# KiCad board Smart LED WS2812B Ring7.kicad_pcb (continued)
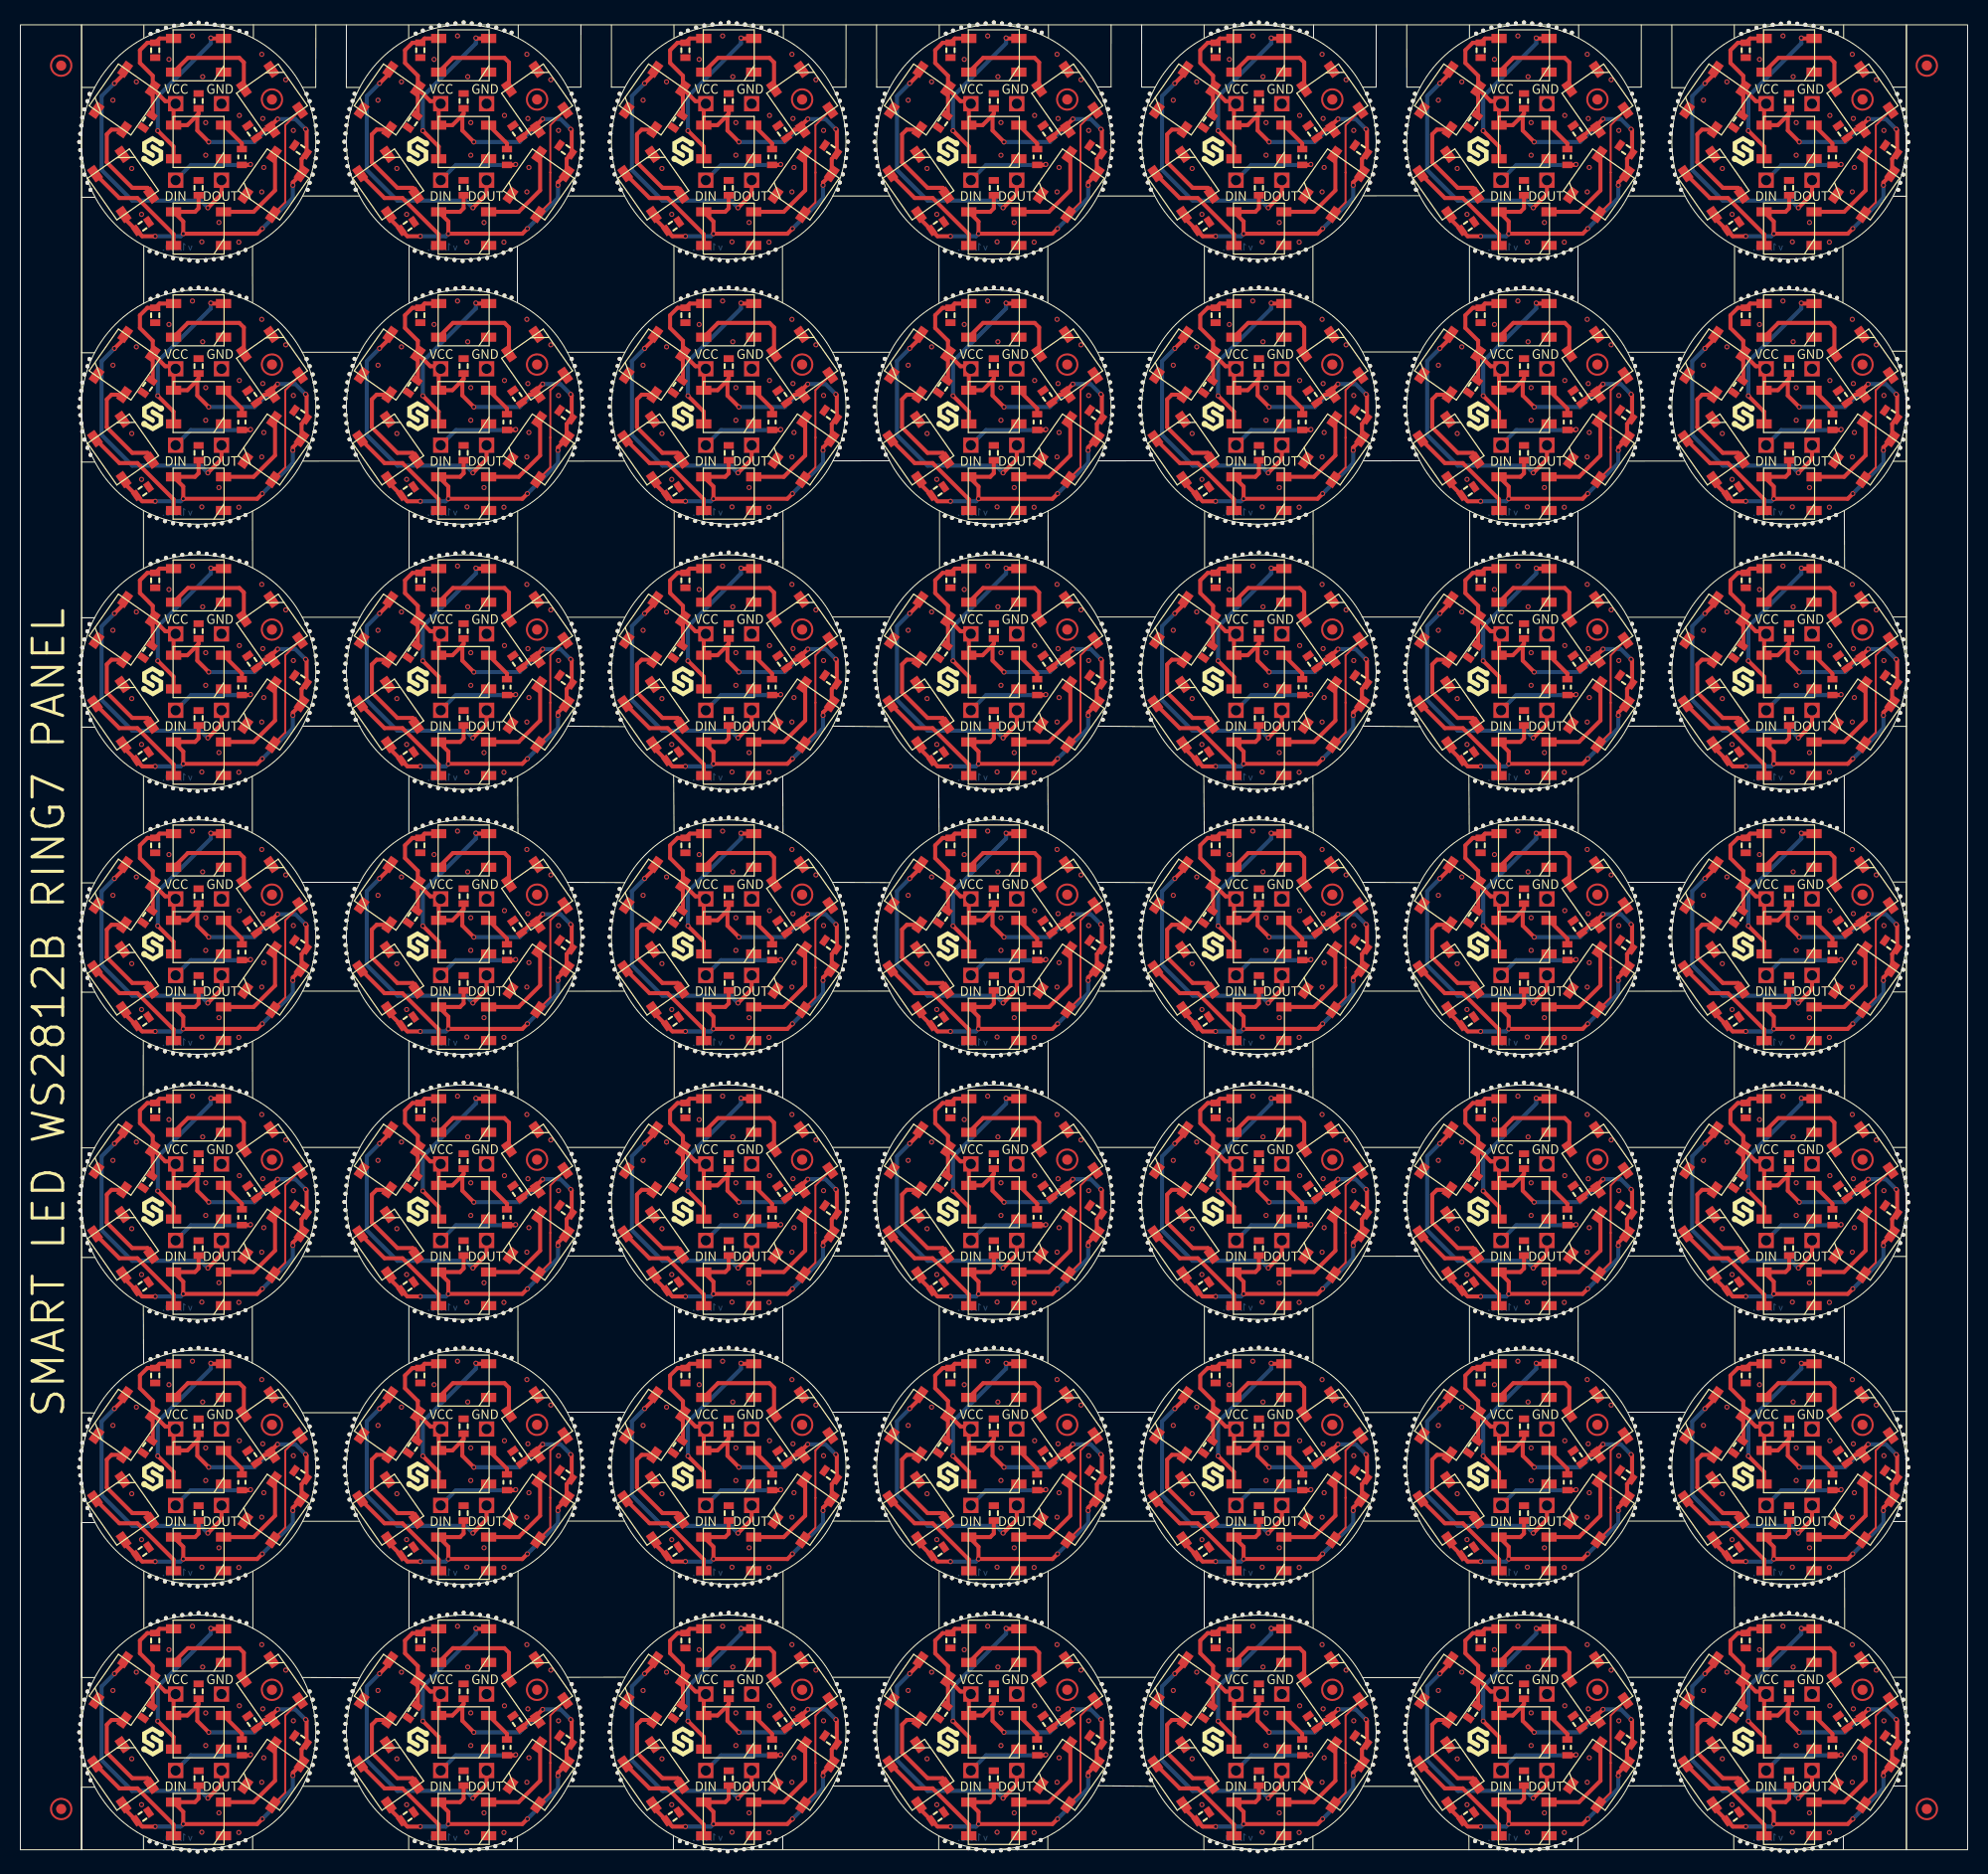
[diagram p0: board, top side]
## Placement (name value [footprint] x y rotation side) (continued)
REF**#2022  -  [HOLE_0.5mm]  152.18 152.26 90 top
REF**#2023  -  [HOLE_0.5mm]  14.97 156.13 270 top
REF**#2024  -  [HOLE_0.5mm]  57.88 142.36 180 top
REF**#2025  -  [HOLE_0.5mm]  161.78 141.53 180 top
REF**#2026  -  [HOLE_0.5mm]  80.97 139.96 0 top
REF**#2027  -  [HOLE_0.5mm]  55.08 166.76 0 top
REF**#2028  -  [HOLE_0.5mm]  68.68 49.16 90 top
REF**#2029  -  [HOLE_0.5mm]  122.28 179.16 90 top
REF**#2030  -  [HOLE_0.5mm]  146.68 49.16 90 top
REF**#2031  -  [HOLE_0.5mm]  136.88 84.86 180 top
REF**#2032  Logo-Front-SolderedFULL-15mm  [Logo-Back-SolderedFULL-15mm]  17.91 89.79 0 top
REF**#2033  -  [HOLE_0.5mm]  45.08 49.06 90 top
REF**#2034  -  [HOLE_0.5mm]  126.07 0.96 270 top
REF**#2035  -  [HOLE_0.5mm]  5.88 10.73 180 top
REF**#2036  -  [HOLE_0.5mm]  6.08 139.13 180 top
REF**#2037  -  [HOLE_0.5mm]  96.28 101.16 90 top
REF**#2038  -  [HOLE_0.5mm]  106.68 8.36 0 top
REF**#2039  -  [HOLE_0.5mm]  123.07 75.06 90 top
REF**#2040  -  [HOLE_0.5mm]  80.88 117.96 0 top
REF**#2041  -  [HOLE_0.5mm]  73.47 126.46 90 top
REF**#2042  -  [HOLE_0.5mm]  144.97 78.16 270 top
REF**#2043  -  [HOLE_0.5mm]  54.67 170.76 0 top
REF**#2044  -  [HOLE_0.5mm]  123.88 48.96 90 top
REF**#2045  -  [HOLE_0.5mm]  72.68 74.76 90 top
REF**#2046  -  [HOLE_0.5mm]  19.78 78.13 270 top
REF**#2047  -  [HOLE_0.5mm]  177.47 126.44 90 top
REF**#2048  -  [HOLE_0.5mm]  143.47 48.46 90 top
REF**#2049  -  [HOLE_0.5mm]  100.18 178.26 90 top
REF**#2050  -  [HOLE_0.5mm]  28.67 164.33 0 top
REF**#2051  -  [HOLE_0.5mm]  170.97 78.13 270 top
REF**#2052  -  [HOLE_0.5mm]  91.47 126.46 90 top
REF**#2053  -  [HOLE_0.5mm]  80.88 13.96 0 top
REF**#2054  -  [HOLE_0.5mm]  106.07 172.26 0 top
REF**#2055  -  [HOLE_0.5mm]  94.57 25.96 270 top
REF**#2056  -  [HOLE_0.5mm]  80.18 110.86 0 top
REF**#2057  -  [HOLE_0.5mm]  133.07 64.36 0 top
REF**#2058  -  [HOLE_0.5mm]  31.88 114.76 180 top
REF**#2059  -  [HOLE_0.5mm]  84.57 7.56 180 top
REF**#2060  -  [HOLE_0.5mm]  69.47 23.26 90 top
REF**#2061  -  [HOLE_0.5mm]  92.18 156.36 270 top
REF**#2062  -  [HOLE_0.5mm]  119.88 153.06 90 top
REF**#2063  -  [HOLE_0.5mm]  48.08 0.96 270 top
REF**#2064  -  [HOLE_0.5mm]  96.97 78.06 270 top
REF**#2065  -  [HOLE_0.5mm]  110.57 145.56 180 top
REF**#2066  -  [HOLE_0.5mm]  107.18 167.56 0 top
REF**#2067  Logo-Front-SolderedFULL-15mm  [Logo-Back-SolderedFULL-15mm]  173.91 11.79 0 top
REF**#2068  -  [HOLE_0.5mm]  43.38 129.86 270 top
REF**#2069  -  [HOLE_0.5mm]  184.07 146.23 0 top
REF**#2070  -  [HOLE_0.5mm]  159.07 64.36 0 top
REF**#2071  -  [HOLE_0.5mm]  31.78 11.56 180 top
REF**#2072  -  [HOLE_0.5mm]  57.97 35.96 180 top
REF**#2073  -  [HOLE_0.5mm]  40.28 100.76 90 top
REF**#2074  -  [HOLE_0.5mm]  118.28 48.76 90 top
REF**#2075  -  [HOLE_0.5mm]  19.08 153.03 90 top
REF**#2076  -  [HOLE_0.5mm]  133.07 10.76 0 top
REF**#2077  -  [HOLE_0.5mm]  44.28 127.16 90 top
REF**#2078  -  [HOLE_0.5mm]  132.88 91.96 0 top
REF**#2079  -  [HOLE_0.5mm]  178.18 152.23 90 top
REF**#2080  -  [HOLE_0.5mm]  57.88 168.36 180 top
REF**#2081  -  [HOLE_0.5mm]  109.88 114.76 180 top
REF**#2082  -  [HOLE_0.5mm]  67.07 48.96 90 top
REF**#2083  -  [HOLE_0.5mm]  28.88 61.13 0 top
REF**#2084  -  [HOLE_0.5mm]  70.28 101.16 90 top
REF**#2085  -  [HOLE_0.5mm]  43.47 101.26 90 top
REF**#2086  -  [HOLE_0.5mm]  168.68 156.83 270 top
REF**#2087  -  [HOLE_0.5mm]  161.97 143.13 180 top
REF**#2088  -  [HOLE_0.5mm]  170.28 126.73 90 top
REF**#2089  -  [HOLE_0.5mm]  65.38 52.66 270 top
REF**#2090  -  [HOLE_0.5mm]  106.18 6.86 0 top
REF**#2091  -  [HOLE_0.5mm]  6.28 14.73 180 top
REF**#2092  -  [HOLE_0.5mm]  107.07 62.76 0 top
REF**#2093  -  [HOLE_0.5mm]  173.38 -0.17 270 top
REF**#2094  -  [Logo-Back-UKCA-3.5mm]  151.78 30.23 0 top
REF**#2095  -  [HOLE_0.5mm]  184.38 33.53 0 top
REF**#2096  -  [HOLE_0.5mm]  90.78 22.16 90 top
REF**#2097  -  [HOLE_0.5mm]  133.07 12.36 0 top
REF**#2098  -  [HOLE_0.5mm]  72.57 104.36 270 top
REF**#2099  -  [HOLE_0.5mm]  170.18 130.33 270 top
REF**#2100  -  [HOLE_0.5mm]  41.78 104.06 270 top
REF**#2101  -  [HOLE_0.5mm]  80.18 136.86 0 top
REF**#2102  -  [HOLE_0.5mm]  72.68 152.76 90 top
REF**#2103  -  [HOLE_0.5mm]  58.08 13.96 180 top
REF**#2104  -  [HOLE_0.5mm]  162.28 138.33 180 top
REF**#2105  -  [HOLE_0.5mm]  97.78 130.16 270 top
REF**#2106  -  [HOLE_0.5mm]  70.97 104.06 270 top
REF**#2107  Logo-Front-SolderedFULL-15mm  [Logo-Back-SolderedFULL-15mm]  121.91 141.79 0 top
REF**#2108  -  [HOLE_0.5mm]  173.38 155.83 270 top
REF**#2109  -  [HOLE_0.5mm]  136.28 8.36 180 top
REF**#2110  -  [HOLE_0.5mm]  42.67 49.16 90 top
REF**#2111  -  [HOLE_0.5mm]  28.97 9.94 0 top
REF**#2112  -  [HOLE_0.5mm]  132.68 60.36 0 top
REF**#2113  -  [HOLE_0.5mm]  57.88 88.76 180 top
REF**#2114  -  [HOLE_0.5mm]  6.28 164.33 180 top
REF**#2115  -  [HOLE_0.5mm]  172.57 -0.06 270 top
REF**#2116  -  [HOLE_0.5mm]  132.07 172.26 0 top
REF**#2117  -  [HOLE_0.5mm]  66.18 0.36 270 top
REF**#2118  -  [HOLE_0.5mm]  136.57 111.56 180 top
REF**#2119  -  [HOLE_0.5mm]  74.07 156.96 270 top
REF**#2120  -  [HOLE_0.5mm]  173.47 49.23 90 top
REF**#2121  -  [HOLE_0.5mm]  39.38 78.66 270 top
REF**#2122  -  [HOLE_0.5mm]  92.18 130.36 270 top
REF**#2123  -  [HOLE_0.5mm]  175.07 49.03 90 top
REF**#2124  -  [HOLE_0.5mm]  54.38 67.56 0 top
REF**#2125  -  [HOLE_0.5mm]  13.38 0.63 270 top
REF**#2126  -  [HOLE_0.5mm]  185.07 168.33 0 top
REF**#2127  -  [HOLE_0.5mm]  21.47 178.44 90 top
REF**#2128  -  [HOLE_0.5mm]  58.28 34.36 180 top
REF**#2129  -  [HOLE_0.5mm]  99.38 26.66 270 top
REF**#2130  -  [HOLE_0.5mm]  93.07 22.96 90 top
REF**#2131  -  [HOLE_0.5mm]  123.07 127.06 90 top
REF**#2132  -  [HOLE_0.5mm]  83.97 61.96 180 top
REF**#2133  -  [HOLE_0.5mm]  80.07 68.26 0 top
REF**#2134  -  [HOLE_0.5mm]  106.88 13.96 0 top
REF**#2135  -  [HOLE_0.5mm]  185.18 167.53 0 top
REF**#2136  -  [HOLE_0.5mm]  132.38 171.56 0 top
REF**#2137  -  [HOLE_0.5mm]  110.07 35.16 180 top
REF**#2138  -  [HOLE_0.5mm]  107.07 140.76 0 top
REF**#2139  -  [HOLE_0.5mm]  29.08 38.33 0 top
REF**#2140  -  [HOLE_0.5mm]  31.88 64.36 180 top
REF**#2141  -  [HOLE_0.5mm]  145.88 127.06 90 top
REF**#2142  -  [HOLE_0.5mm]  109.97 35.96 180 top
REF**#2143  -  [HOLE_0.5mm]  28.88 91.94 0 top
REF**#2144  -  [HOLE_0.5mm]  106.38 163.56 0 top
REF**#2145  -  [HOLE_0.5mm]  84.07 65.96 180 top
REF**#2146  -  [HOLE_0.5mm]  123.07 23.06 90 top
REF**#2147  -  [HOLE_0.5mm]  162.28 86.33 180 top
REF**#2148  -  [HOLE_0.5mm]  54.08 68.26 0 top
REF**#2149  -  [HOLE_0.5mm]  124.68 74.76 90 top
REF**#2150  -  [HOLE_0.5mm]  184.38 93.53 0 top
REF**#2151  -  [HOLE_0.5mm]  118.97 0.16 270 top
REF**#2152  -  [HOLE_0.5mm]  145.07 74.96 90 top
REF**#2153  -  [HOLE_0.5mm]  109.97 165.96 180 top
REF**#2154  -  [HOLE_0.5mm]  171.78 156.03 270 top
REF**#2155  -  [HOLE_0.5mm]  80.97 143.16 0 top
REF**#2156  Logo-Front-SolderedFULL-15mm  [Logo-Back-SolderedFULL-15mm]  147.91 167.79 0 top
REF**#2157  -  [HOLE_0.5mm]  124.57 52.36 270 top
REF**#2158  -  [HOLE_0.5mm]  84.57 15.56 180 top
REF**#2159  -  [HOLE_0.5mm]  158.68 118.76 0 top
REF**#2160  -  [HOLE_0.5mm]  66.28 126.76 90 top
REF**#2161  Logo-Front-SolderedFULL-15mm  [Logo-Back-SolderedFULL-15mm]  43.91 37.79 0 top
REF**#2162  -  [HOLE_0.5mm]  58.08 9.16 180 top
REF**#2163  -  [HOLE_0.5mm]  57.78 167.56 180 top
REF**#2164  -  [HOLE_0.5mm]  136.57 7.56 180 top
REF**#2165  -  [HOLE_0.5mm]  57.97 143.16 180 top
REF**#2166  -  [HOLE_0.5mm]  168.68 130.83 270 top
REF**#2167  -  [HOLE_0.5mm]  158.97 169.16 0 top
REF**#2168  -  [HOLE_0.5mm]  28.08 68.23 0 top
REF**#2169  -  [HOLE_0.5mm]  65.47 152.46 90 top
REF**#2170  -  [HOLE_0.5mm]  83.88 140.76 180 top
REF**#2171  -  [Logo-Back-UKCA-3.5mm]  99.78 56.23 0 top
REF**#2172  -  [HOLE_0.5mm]  162.07 61.13 180 top
REF**#2173  -  [HOLE_0.5mm]  142.68 156.86 270 top
REF**#2174  -  [HOLE_0.5mm]  80.68 40.76 0 top
REF**#2175  -  [HOLE_0.5mm]  38.67 26.86 270 top
REF**#2176  -  [Logo-Back-CE-3.5mm]  13.88 56.23 0 top
REF**#2177  -  [HOLE_0.5mm]  177.38 0.63 270 top
REF**#2178  -  [HOLE_0.5mm]  158.68 164.36 0 top
REF**#2179  -  [HOLE_0.5mm]  80.97 65.16 0 top
REF**#2180  Logo-Front-SolderedFULL-15mm  [Logo-Back-SolderedFULL-15mm]  17.91 115.79 0 top
REF**#2181  -  [HOLE_0.5mm]  168.78 178.13 90 top
REF**#2182  -  [HOLE_0.5mm]  146.68 179.16 90 top
REF**#2183  -  [HOLE_0.5mm]  83.78 141.56 180 top
REF**#2184  -  [HOLE_0.5mm]  171.07 74.94 90 top
REF**#2185  -  [HOLE_0.5mm]  158.88 139.16 0 top
REF**#2186  -  [HOLE_0.5mm]  91.38 26.66 270 top
REF**#2187  -  [Logo-Back-UKCA-3.5mm]  151.78 4.23 0 top
REF**#2188  -  [HOLE_0.5mm]  172.68 75.13 90 top
REF**#2189  -  [HOLE_0.5mm]  64.78 178.16 90 top
REF**#2190  -  [HOLE_0.5mm]  136.57 137.56 180 top
REF**#2191  -  [HOLE_0.5mm]  57.97 13.16 180 top
REF**#2192  -  [HOLE_0.5mm]  32.28 40.76 180 top
REF**#2193  -  [HOLE_0.5mm]  184.18 6.83 0 top
REF**#2194  -  [HOLE_0.5mm]  118.97 156.16 270 top
REF**#2195  -  [HOLE_0.5mm]  46.58 156.36 270 top
REF**#2196  -  [HOLE_0.5mm]  54.67 34.36 0 top
REF**#2197  -  [HOLE_0.5mm]  19.88 152.94 90 top
REF**#2198  -  [HOLE_0.5mm]  144.97 52.16 270 top
REF**#2199  -  [HOLE_0.5mm]  136.28 40.76 180 top
REF**#2200  -  [HOLE_0.5mm]  174.28 101.13 90 top
REF**#2201  -  [HOLE_0.5mm]  124.57 0.36 270 top
REF**#2202  -  [HOLE_0.5mm]  54.67 86.36 0 top
REF**#2203  -  [HOLE_0.5mm]  66.18 130.36 270 top
REF**#2204  -  [HOLE_0.5mm]  48.08 52.96 270 top
REF**#2205  -  [HOLE_0.5mm]  32.28 8.36 180 top
REF**#2206  -  [HOLE_0.5mm]  65.38 104.66 270 top
REF**#2207  -  [HOLE_0.5mm]  158.68 92.76 0 top
REF**#2208  -  [HOLE_0.5mm]  45.88 100.96 90 top
REF**#2209  -  [HOLE_0.5mm]  175.78 104.13 270 top
REF**#2210  -  [HOLE_0.5mm]  92.18 26.36 270 top
REF**#2211  -  [HOLE_0.5mm]  84.78 146.26 180 top
REF**#2212  -  [HOLE_0.5mm]  147.47 101.26 90 top
REF**#2213  -  [HOLE_0.5mm]  57.97 117.16 180 top
REF**#2214  -  [HOLE_0.5mm]  45.78 156.16 270 top
REF**#2215  -  [HOLE_0.5mm]  178.07 52.94 270 top
REF**#2216  -  [HOLE_0.5mm]  107.18 37.56 0 top
REF**#2217  -  [HOLE_0.5mm]  145.07 48.96 90 top
REF**#2218  -  [HOLE_0.5mm]  185.07 114.73 0 top
REF**#2219  -  [HOLE_0.5mm]  55.17 115.56 0 top
REF**#2220  -  [HOLE_0.5mm]  168.68 78.83 270 top
REF**#2221  -  [HOLE_0.5mm]  28.97 143.13 0 top
REF**#2222  -  [HOLE_0.5mm]  54.38 93.56 0 top
REF**#2223  -  [HOLE_0.5mm]  110.07 13.96 180 top
REF**#2224  -  [HOLE_0.5mm]  47.47 74.46 90 top
REF**#2225  -  [HOLE_0.5mm]  142.68 26.86 270 top
REF**#2226  -  [HOLE_0.5mm]  91.47 22.46 90 top
REF**#2227  -  [HOLE_0.5mm]  54.88 143.96 0 top
REF**#2228  -  [Logo-Back-UKCA-3.5mm]  177.78 82.23 0 top
REF**#2229  -  [HOLE_0.5mm]  122.28 75.16 90 top
REF**#2230  -  [HOLE_0.5mm]  80.68 138.36 0 top
REF**#2231  -  [HOLE_0.5mm]  170.28 100.73 90 top
REF**#2232  -  [HOLE_0.5mm]  38.78 178.16 90 top
REF**#2233  -  [HOLE_0.5mm]  15.78 156.03 270 top
REF**#2234  -  [HOLE_0.5mm]  71.78 78.16 270 top
REF**#2235  -  [HOLE_0.5mm]  109.78 89.56 180 top
REF**#2236  -  [HOLE_0.5mm]  110.07 169.96 180 top
REF**#2237  -  [HOLE_0.5mm]  44.28 179.16 90 top
REF**#2238  -  [HOLE_0.5mm]  110.07 9.16 180 top
REF**#2239  -  [HOLE_0.5mm]  38.67 156.86 270 top
REF**#2240  -  [HOLE_0.5mm]  158.38 93.56 0 top
REF**#2241  -  [HOLE_0.5mm]  43.47 179.26 90 top
REF**#2242  -  [HOLE_0.5mm]  142.78 22.16 90 top
REF**#2243  -  [HOLE_0.5mm]  14.97 104.13 270 top
REF**#2244  -  [HOLE_0.5mm]  17.38 -0.17 270 top
REF**#2245  -  [HOLE_0.5mm]  174.97 130.03 270 top
REF**#2246  -  [HOLE_0.5mm]  58.58 59.56 180 top
REF**#2247  -  [HOLE_0.5mm]  110.07 61.16 180 top
REF**#2248  -  [HOLE_0.5mm]  177.38 156.63 270 top
REF**#2249  -  [HOLE_0.5mm]  83.88 166.76 180 top
REF**#2250  -  [HOLE_0.5mm]  6.58 93.53 180 top
REF**#2251  -  [HOLE_0.5mm]  119.78 156.06 270 top
REF**#2252  -  [HOLE_0.5mm]  118.18 104.36 270 top
REF**#2253  -  [HOLE_0.5mm]  97.78 104.16 270 top
REF**#2254  -  [HOLE_0.5mm]  136.07 35.16 180 top
REF**#2255  -  [HOLE_0.5mm]  68.57 25.96 270 top
REF**#2256  -  [HOLE_0.5mm]  158.97 65.16 0 top
REF**#2257  -  [HOLE_0.5mm]  28.17 32.83 0 top
REF**#2258  -  [HOLE_0.5mm]  161.88 88.73 180 top
REF**#2259  -  [HOLE_0.5mm]  159.18 115.56 0 top
REF**#2260  -  [HOLE_0.5mm]  143.47 178.46 90 top
REF**#2261  -  [HOLE_0.5mm]  136.57 119.56 180 top
REF**#2262  -  [HOLE_0.5mm]  71.07 23.06 90 top
REF**#2263  -  [HOLE_0.5mm]  162.07 169.94 180 top
REF**#2264  -  [HOLE_0.5mm]  146.68 23.16 90 top
REF**#2265  -  [HOLE_0.5mm]  80.88 87.16 0 top
REF**#2266  -  [HOLE_0.5mm]  57.88 10.76 180 top
REF**#2267  -  [HOLE_0.5mm]  158.68 66.76 0 top
REF**#2268  -  [HOLE_0.5mm]  84.07 169.96 180 top
REF**#2269  -  [HOLE_0.5mm]  97.88 152.96 90 top
REF**#2270  -  [HOLE_0.5mm]  126.18 100.26 90 top
REF**#2271  -  [HOLE_0.5mm]  81.07 142.36 0 top
REF**#2272  -  [HOLE_0.5mm]  67.78 156.06 270 top
REF**#2273  -  [HOLE_0.5mm]  161.78 63.53 180 top
REF**#2274  -  [HOLE_0.5mm]  136.28 60.36 180 top
REF**#2275  -  [HOLE_0.5mm]  58.78 94.26 180 top
REF**#2276  -  [HOLE_0.5mm]  19.78 0.13 270 top
REF**#2277  -  [HOLE_0.5mm]  143.38 0.66 270 top
REF**#2278  -  [HOLE_0.5mm]  174.18 -0.06 270 top
REF**#2279  -  [HOLE_0.5mm]  151.47 152.46 90 top
REF**#2280  -  [HOLE_0.5mm]  91.47 74.46 90 top
REF**#2281  -  [HOLE_0.5mm]  70.18 103.96 270 top
REF**#2282  -  [HOLE_0.5mm]  80.38 137.56 0 top
REF**#2283  -  [HOLE_0.5mm]  72.68 178.76 90 top
REF**#2284  -  [HOLE_0.5mm]  96.97 52.06 270 top
REF**#2285  -  [HOLE_0.5mm]  106.38 111.56 0 top
REF**#2286  -  [HOLE_0.5mm]  159.07 114.76 0 top
REF**#2287  -  [HOLE_0.5mm]  158.88 165.16 0 top
REF**#2288  -  [HOLE_0.5mm]  119.78 0.06 270 top
REF**#2289  -  [HOLE_0.5mm]  15.78 130.03 270 top
REF**#2290  Logo-Front-SolderedFULL-15mm  [Logo-Back-SolderedFULL-15mm]  121.91 63.79 0 top
REF**#2291  -  [HOLE_0.5mm]  47.38 156.66 270 top
REF**#2292  -  [HOLE_0.5mm]  148.18 -0.04 270 top
REF**#2293  -  [HOLE_0.5mm]  32.78 42.26 180 top
REF**#2294  -  [HOLE_0.5mm]  161.97 139.94 180 top
REF**#2295  -  [HOLE_0.5mm]  66.97 156.16 270 top
REF**#2296  -  [HOLE_0.5mm]  132.07 120.26 0 top
REF**#2297  -  [HOLE_0.5mm]  161.97 91.13 180 top
REF**#2298  -  [HOLE_0.5mm]  144.97 130.16 270 top
REF**#2299  -  [HOLE_0.5mm]  28.67 14.73 0 top
REF**#2300  -  [HOLE_0.5mm]  143.47 100.46 90 top
REF**#2301  -  [HOLE_0.5mm]  158.38 111.56 0 top
REF**#2302  -  [HOLE_0.5mm]  118.97 104.16 270 top
REF**#2303  -  [HOLE_0.5mm]  54.88 113.16 0 top
REF**#2304  -  [HOLE_0.5mm]  123.78 26.16 270 top
REF**#2305  -  [HOLE_0.5mm]  73.38 26.66 270 top
REF**#2306  -  [HOLE_0.5mm]  68.57 51.96 270 top
REF**#2307  -  [HOLE_0.5mm]  80.38 119.56 0 top
REF**#2308  -  [HOLE_0.5mm]  161.97 13.13 180 top
REF**#2309  -  [HOLE_0.5mm]  46.58 130.36 270 top
REF**#2310  -  [Logo-Back-UKCA-3.5mm]  21.78 82.23 0 top
REF**#2311  -  [HOLE_0.5mm]  106.38 67.56 0 top
REF**#2312  -  [HOLE_0.5mm]  67.88 75.06 90 top
REF**#2313  -  [HOLE_0.5mm]  71.07 75.06 90 top
REF**#2314  -  [HOLE_0.5mm]  70.28 49.16 90 top
REF**#2315  -  [Logo-Back-CE-3.5mm]  143.88 82.23 0 top
REF**#2316  -  [HOLE_0.5mm]  124.57 104.36 270 top
REF**#2317  -  [HOLE_0.5mm]  31.88 38.36 180 top
REF**#2318  -  [HOLE_0.5mm]  48.17 22.26 90 top
REF**#2319  -  [HOLE_0.5mm]  161.97 169.13 180 top
REF**#2320  -  [HOLE_0.5mm]  80.18 84.86 0 top
REF**#2321  -  [HOLE_0.5mm]  95.38 51.86 270 top
REF**#2322  -  [HOLE_0.5mm]  148.28 127.16 90 top
REF**#2323  -  [Logo-Back-UKCA-3.5mm]  21.78 160.23 0 top
REF**#2324  -  [HOLE_0.5mm]  162.28 144.73 180 top
REF**#2325  -  [HOLE_0.5mm]  125.38 52.66 270 top
REF**#2326  -  [HOLE_0.5mm]  106.38 93.56 0 top
REF**#2327  -  [HOLE_0.5mm]  18.28 75.13 90 top
REF**#2328  -  [HOLE_0.5mm]  41.78 52.06 270 top
REF**#2329  -  [HOLE_0.5mm]  29.17 167.53 0 top
REF**#2330  -  [HOLE_0.5mm]  65.47 100.46 90 top
REF**#2331  -  [HOLE_0.5mm]  178.18 22.23 90 top
REF**#2332  -  [HOLE_0.5mm]  122.28 101.16 90 top
REF**#2333  -  [HOLE_0.5mm]  178.07 156.94 270 top
REF**#2334  -  [HOLE_0.5mm]  145.88 101.06 90 top
REF**#2335  -  [HOLE_0.5mm]  65.38 130.66 270 top
REF**#2336  -  [HOLE_0.5mm]  162.88 136.83 180 top
REF**#2337  -  [HOLE_0.5mm]  171.88 101.03 90 top
REF**#2338  -  [HOLE_0.5mm]  99.47 48.46 90 top
REF**#2339  -  [HOLE_0.5mm]  122.28 49.16 90 top
REF**#2340  -  [HOLE_0.5mm]  83.88 90.36 180 top
REF**#2341  -  [HOLE_0.5mm]  13.38 78.63 270 top
REF**#2342  -  [HOLE_0.5mm]  135.88 142.36 180 top
REF**#2343  -  [HOLE_0.5mm]  174.18 155.94 270 top
REF**#2344  -  [HOLE_0.5mm]  133.07 36.76 0 top
REF**#2345  -  [HOLE_0.5mm]  21.38 130.63 270 top
REF**#2346  -  [HOLE_0.5mm]  132.38 137.56 0 top
REF**#2347  -  [HOLE_0.5mm]  110.28 40.76 180 top
REF**#2348  -  [HOLE_0.5mm]  170.28 74.73 90 top
REF**#2349  -  [HOLE_0.5mm]  159.07 168.36 0 top
REF**#2350  -  [HOLE_0.5mm]  13.38 130.63 270 top
REF**#2351  -  [HOLE_0.5mm]  31.88 62.76 180 top
REF**#2352  -  [HOLE_0.5mm]  148.28 153.16 90 top
REF**#2353  -  [HOLE_0.5mm]  83.97 65.16 180 top
REF**#2354  -  [HOLE_0.5mm]  19.78 104.13 270 top
REF**#2355  -  [HOLE_0.5mm]  123.78 130.16 270 top
REF**#2356  -  [HOLE_0.5mm]  32.58 33.56 180 top
REF**#2357  -  [HOLE_0.5mm]  84.57 59.56 180 top
REF**#2358  -  [HOLE_0.5mm]  162.78 94.23 180 top
REF**#2359  -  [HOLE_0.5mm]  29.17 63.53 0 top
REF**#2360  -  [HOLE_0.5mm]  106.68 144.76 0 top
REF**#2361  -  [HOLE_0.5mm]  106.88 117.96 0 top
REF**#2362  -  [HOLE_0.5mm]  184.68 40.73 0 top
REF**#2363  -  [HOLE_0.5mm]  136.57 15.56 180 top
REF**#2364  -  [Logo-Back-UKCA-3.5mm]  177.78 30.23 0 top
REF**#2365  -  [HOLE_0.5mm]  110.57 137.56 180 top
REF**#2366  -  [HOLE_0.5mm]  44.17 155.96 270 top
REF**#2367  -  [HOLE_0.5mm]  118.28 178.76 90 top
REF**#2368  -  [HOLE_0.5mm]  54.67 14.76 0 top
REF**#2369  -  [HOLE_0.5mm]  40.28 48.76 90 top
REF**#2370  -  [HOLE_0.5mm]  67.78 26.06 270 top
REF**#2371  Logo-Front-SolderedFULL-15mm  [Logo-Back-SolderedFULL-15mm]  147.91 115.79 0 top
REF**#2372  -  [HOLE_0.5mm]  15.88 127.03 90 top
REF**#2373  -  [HOLE_0.5mm]  170.28 22.73 90 top
REF**#2374  -  [HOLE_0.5mm]  110.28 144.76 180 top
REF**#2375  -  [HOLE_0.5mm]  6.28 8.33 180 top
REF**#2376  -  [HOLE_0.5mm]  178.07 0.94 270 top
REF**#2377  -  [HOLE_0.5mm]  148.28 179.16 90 top
REF**#2378  -  [HOLE_0.5mm]  176.68 152.73 90 top
REF**#2379  -  [Logo-Back-UKCA-3.5mm]  151.78 82.23 0 top
REF**#2380  -  [HOLE_0.5mm]  149.07 101.06 90 top
REF**#2381  -  [HOLE_0.5mm]  44.28 153.16 90 top
REF**#2382  -  [HOLE_0.5mm]  152.18 126.26 90 top
REF**#2383  -  [HOLE_0.5mm]  94.68 75.16 90 top
REF**#2384  -  [HOLE_0.5mm]  96.28 153.16 90 top
REF**#2385  -  [HOLE_0.5mm]  169.47 22.44 90 top
REF**#2386  -  [HOLE_0.5mm]  173.47 179.23 90 top
REF**#2387  -  [HOLE_0.5mm]  158.97 113.96 0 top
REF**#2388  -  [HOLE_0.5mm]  6.28 66.73 180 top
REF**#2389  -  [HOLE_0.5mm]  110.28 164.36 180 top
REF**#2390  -  [HOLE_0.5mm]  150.68 74.76 90 top
REF**#2391  -  [HOLE_0.5mm]  93.88 101.06 90 top
REF**#2392  -  [HOLE_0.5mm]  174.28 179.13 90 top
REF**#2393  -  [HOLE_0.5mm]  38.67 104.86 270 top
REF**#2394  -  [HOLE_0.5mm]  58.88 136.86 180 top
REF**#2395  -  [HOLE_0.5mm]  41.78 78.06 270 top
REF**#2396  -  [HOLE_0.5mm]  132.07 68.26 0 top
REF**#2397  -  [HOLE_0.5mm]  55.08 116.36 0 top
REF**#2398  -  [HOLE_0.5mm]  81.18 141.56 0 top
REF**#2399  -  [HOLE_0.5mm]  174.18 51.94 270 top
REF**#2400  -  [HOLE_0.5mm]  135.88 38.36 180 top
REF**#2401  -  [HOLE_0.5mm]  135.88 168.36 180 top
REF**#2402  -  [HOLE_0.5mm]  168.78 152.13 90 top
REF**#2403  -  [HOLE_0.5mm]  159.07 116.36 0 top
REF**#2404  -  [HOLE_0.5mm]  146.57 129.96 270 top
REF**#2405  -  [HOLE_0.5mm]  132.18 58.86 0 top
REF**#2406  -  [HOLE_0.5mm]  99.47 178.46 90 top
REF**#2407  -  [Logo-Back-CE-3.5mm]  91.88 160.23 0 top
REF**#2408  -  [HOLE_0.5mm]  162.57 119.53 180 top
REF**#2409  -  [HOLE_0.5mm]  80.68 144.76 0 top
REF**#2410  -  [HOLE_0.5mm]  119.07 152.96 90 top
REF**#2411  -  [HOLE_0.5mm]  14.17 104.33 270 top
REF**#2412  -  [HOLE_0.5mm]  171.88 127.03 90 top
REF**#2413  -  [HOLE_0.5mm]  132.07 16.26 0 top
REF**#2414  -  [HOLE_0.5mm]  146.57 -0.04 270 top
REF**#2415  -  [HOLE_0.5mm]  118.97 78.16 270 top
REF**#2416  -  [HOLE_0.5mm]  5.97 143.13 180 top
REF**#2417  -  [HOLE_0.5mm]  40.97 0.16 270 top
REF**#2418  -  [HOLE_0.5mm]  110.07 143.96 180 top
REF**#2419  -  [HOLE_0.5mm]  135.97 143.16 180 top
REF**#2420  -  [HOLE_0.5mm]  142.68 52.86 270 top
REF**#2421  -  [HOLE_0.5mm]  81.18 37.56 0 top
REF**#2422  -  [HOLE_0.5mm]  6.28 34.33 180 top
REF**#2423  -  [HOLE_0.5mm]  73.47 22.46 90 top
REF**#2424  -  [HOLE_0.5mm]  64.68 52.86 270 top
REF**#2425  -  [HOLE_0.5mm]  148.18 77.96 270 top
REF**#2426  -  [HOLE_0.5mm]  185.07 38.33 0 top
REF**#2427  -  [HOLE_0.5mm]  146.68 153.16 90 top
REF**#2428  -  [HOLE_0.5mm]  67.78 78.06 270 top
REF**#2429  Logo-Front-SolderedFULL-15mm  [Logo-Back-SolderedFULL-15mm]  173.91 141.79 0 top
REF**#2430  -  [HOLE_0.5mm]  184.97 117.13 0 top
REF**#2431  -  [HOLE_0.5mm]  58.78 146.26 180 top
REF**#2432  -  [HOLE_0.5mm]  32.08 91.96 180 top
REF**#2433  -  [HOLE_0.5mm]  28.88 13.94 0 top
REF**#2434  -  [HOLE_0.5mm]  5.88 90.33 180 top
REF**#2435  -  [HOLE_0.5mm]  178.18 178.23 90 top
REF**#2436  -  [HOLE_0.5mm]  68.68 153.16 90 top
REF**#2437  -  [HOLE_0.5mm]  5.88 166.73 180 top
REF**#2438  -  [HOLE_0.5mm]  132.38 163.56 0 top
REF**#2439  -  [HOLE_0.5mm]  171.88 23.03 90 top
REF**#2440  -  [HOLE_0.5mm]  80.97 35.96 0 top
REF**#2441  -  [HOLE_0.5mm]  83.97 91.16 180 top
REF**#2442  -  [HOLE_0.5mm]  32.78 94.26 180 top
REF**#2443  -  [HOLE_0.5mm]  119.88 75.06 90 top
REF**#2444  -  [HOLE_0.5mm]  93.78 104.06 270 top
REF**#2445  -  [HOLE_0.5mm]  158.97 91.16 0 top
REF**#2446  -  [HOLE_0.5mm]  28.88 139.13 0 top
REF**#2447  -  [HOLE_0.5mm]  58.88 110.86 180 top
REF**#2448  -  [HOLE_0.5mm]  81.07 88.76 0 top
REF**#2449  -  [HOLE_0.5mm]  144.28 126.76 90 top
REF**#2450  -  [HOLE_0.5mm]  106.68 118.76 0 top
REF**#2451  -  [HOLE_0.5mm]  161.88 140.73 180 top
REF**#2452  -  [Logo-Back-CE-3.5mm]  117.88 56.23 0 top
REF**#2453  -  [HOLE_0.5mm]  92.28 22.76 90 top
REF**#2454  -  [HOLE_0.5mm]  58.08 143.96 180 top
REF**#2455  -  [HOLE_0.5mm]  95.47 153.26 90 top
REF**#2456  -  [HOLE_0.5mm]  42.67 75.16 90 top
REF**#2457  -  [HOLE_0.5mm]  93.07 126.96 90 top
REF**#2458  -  [HOLE_0.5mm]  20.67 178.73 90 top
REF**#2459  -  [HOLE_0.5mm]  119.78 78.06 270 top
REF**#2460  -  [HOLE_0.5mm]  133.07 90.36 0 top
REF**#2461  -  [HOLE_0.5mm]  136.28 66.76 180 top